# KiCad board NoU2-panelized.kicad_pcb
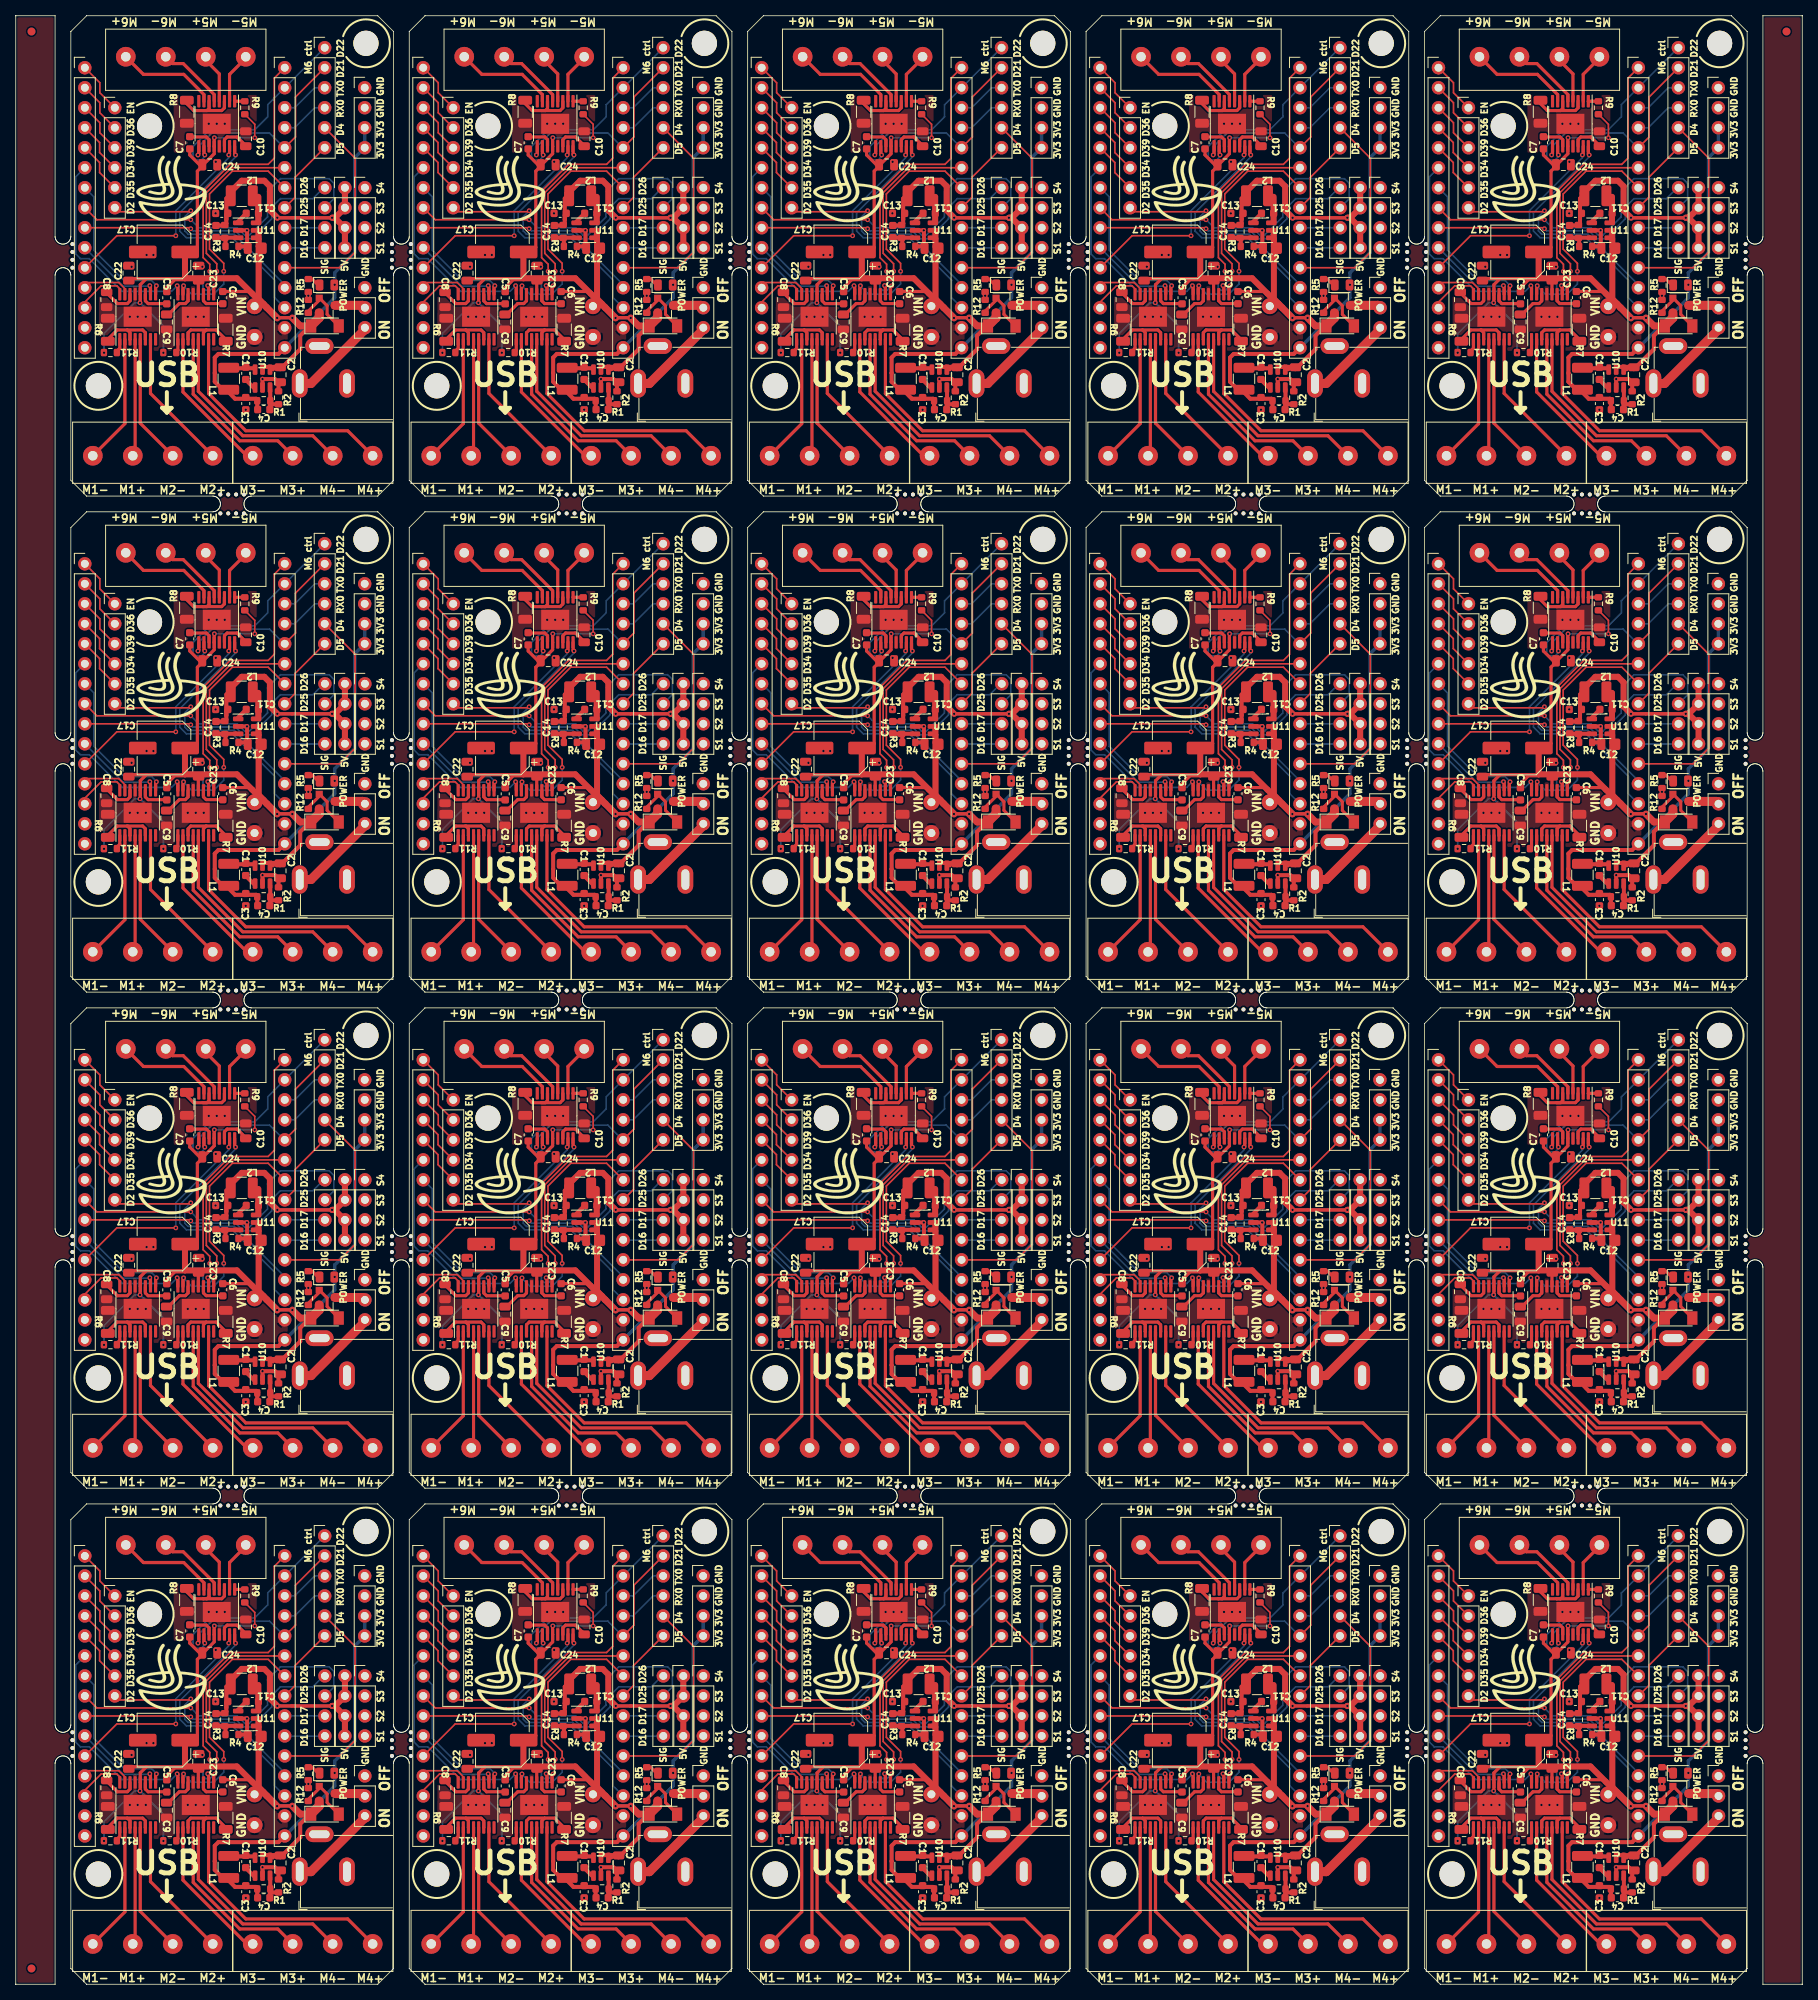
[diagram p0: board, top side]
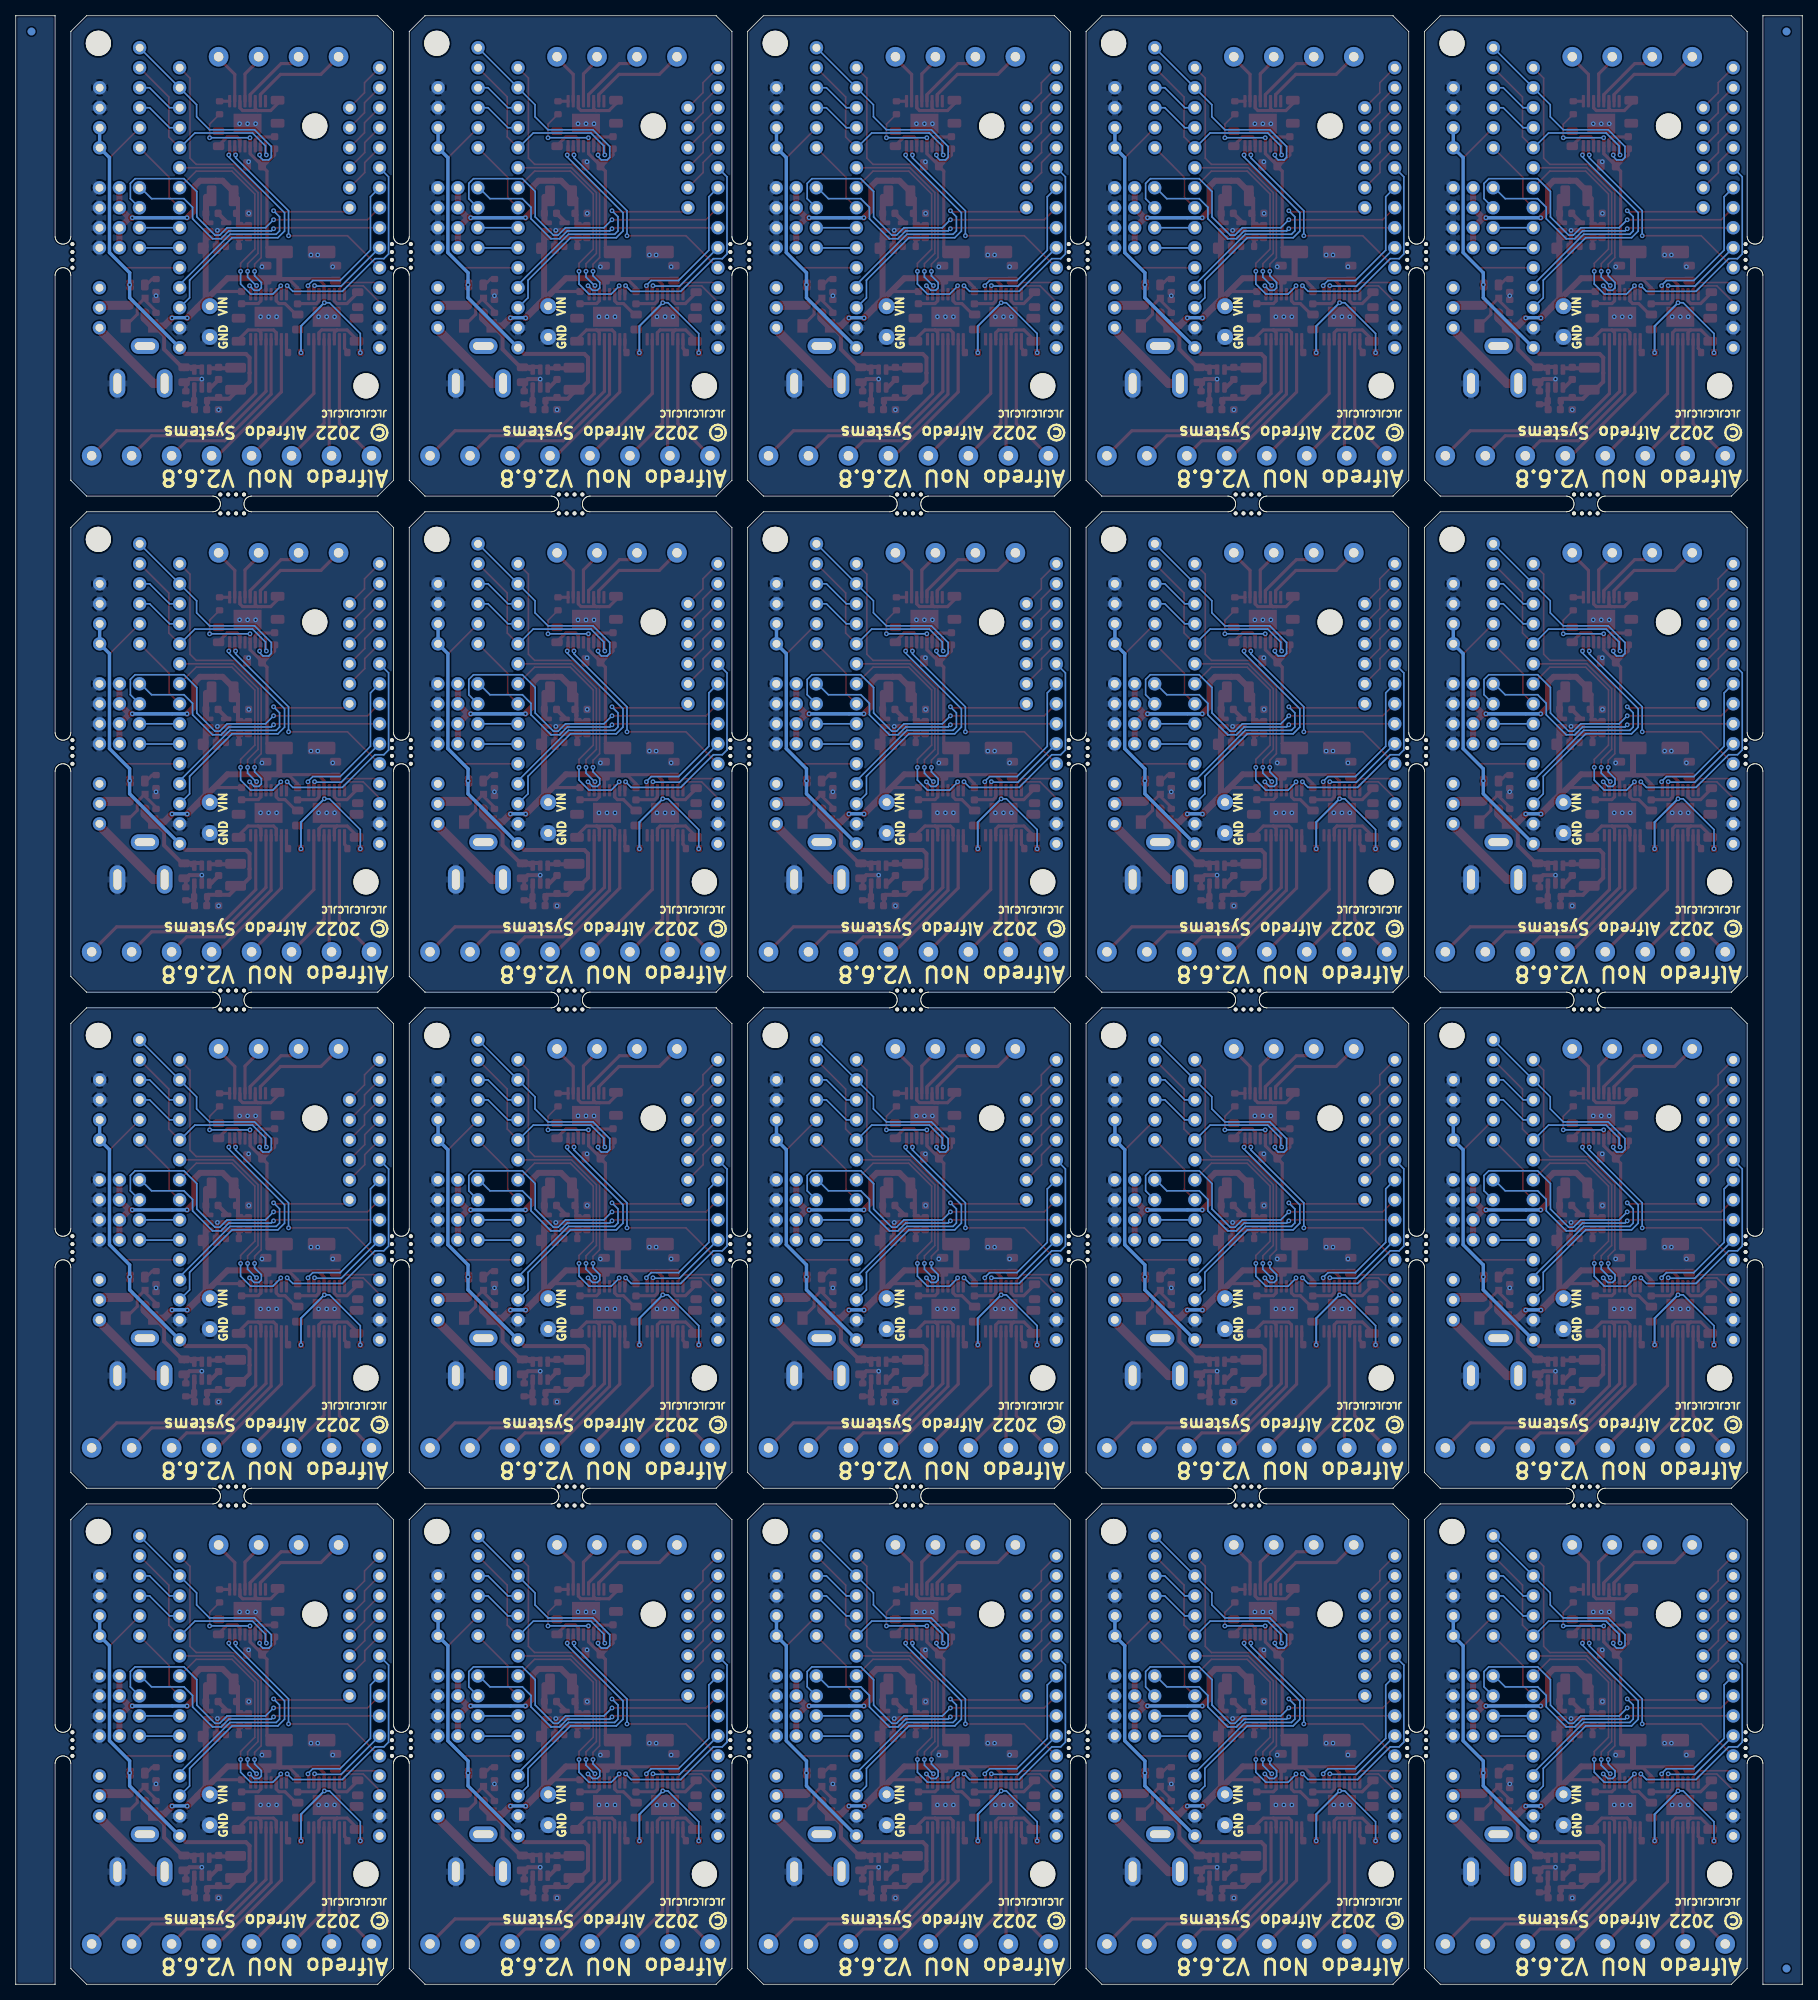
[diagram p1: board, bottom side, seen from below]

Outline 227 x 250 mm; copper layers: Top, Bottom. Coordinates in mm from the lower left corner of the outline.

## Placement (name value [footprint] x y rotation side)
C1  100nF  [C_0603_1608Metric]  72.22 78.58 270 top
C1#2  100nF  [C_0603_1608Metric]  201.22 15.58 270 top
C1#3  100nF  [C_0603_1608Metric]  201.22 204.58 270 top
C1#4  100nF  [C_0603_1608Metric]  29.23 78.58 270 top
C1#5  100nF  [C_0603_1608Metric]  158.22 141.58 270 top
C1#6  100nF  [C_0603_1608Metric]  201.22 78.58 270 top
C1#7  100nF  [C_0603_1608Metric]  29.23 141.58 270 top
C1#8  100nF  [C_0603_1608Metric]  29.23 15.58 270 top
C1#9  100nF  [C_0603_1608Metric]  72.22 15.58 270 top
C1#10  100nF  [C_0603_1608Metric]  115.22 15.58 270 top
C1#11  100nF  [C_0603_1608Metric]  72.22 141.58 270 top
C1#12  100nF  [C_0603_1608Metric]  201.22 141.58 270 top
C1#13  100nF  [C_0603_1608Metric]  72.22 204.58 270 top
C1#14  100nF  [C_0603_1608Metric]  158.22 78.58 270 top
C1#15  100nF  [C_0603_1608Metric]  29.23 204.58 270 top
C1#16  100nF  [C_0603_1608Metric]  115.22 141.58 270 top
C1#17  100nF  [C_0603_1608Metric]  115.22 204.58 270 top
C1#18  100nF  [C_0603_1608Metric]  158.22 15.58 270 top
C1#19  100nF  [C_0603_1608Metric]  158.22 204.58 270 top
C1#20  100nF  [C_0603_1608Metric]  115.22 78.58 270 top
C2  10uF  [C_0805_2012Metric]  76.61 78.41 90 top
C2#2  10uF  [C_0805_2012Metric]  205.61 141.41 90 top
C2#3  10uF  [C_0805_2012Metric]  205.61 15.41 90 top
C2#4  10uF  [C_0805_2012Metric]  205.61 78.41 90 top
C2#5  10uF  [C_0805_2012Metric]  76.61 15.41 90 top
C2#6  10uF  [C_0805_2012Metric]  76.61 204.41 90 top
C2#7  10uF  [C_0805_2012Metric]  162.61 141.41 90 top
C2#8  10uF  [C_0805_2012Metric]  76.61 141.41 90 top
C2#9  10uF  [C_0805_2012Metric]  119.61 78.41 90 top
C2#10  10uF  [C_0805_2012Metric]  162.61 78.41 90 top
C2#11  10uF  [C_0805_2012Metric]  33.61 78.41 90 top
C2#12  10uF  [C_0805_2012Metric]  119.61 141.41 90 top
C2#13  10uF  [C_0805_2012Metric]  33.61 141.41 90 top
C2#14  10uF  [C_0805_2012Metric]  33.61 204.41 90 top
C2#15  10uF  [C_0805_2012Metric]  205.61 204.41 90 top
C2#16  10uF  [C_0805_2012Metric]  119.61 15.41 90 top
C2#17  10uF  [C_0805_2012Metric]  33.61 15.41 90 top
C2#18  10uF  [C_0805_2012Metric]  162.61 204.41 90 top
C2#19  10uF  [C_0805_2012Metric]  119.61 204.41 90 top
C2#20  10uF  [C_0805_2012Metric]  162.61 15.41 90 top
C3  22uF  [C_0603_1608Metric]  115.22 137.75 90 top
C3#2  22uF  [C_0603_1608Metric]  158.22 137.75 90 top
C3#3  22uF  [C_0603_1608Metric]  158.22 200.75 90 top
C3#4  22uF  [C_0603_1608Metric]  158.22 74.75 90 top
C3#5  22uF  [C_0603_1608Metric]  72.22 11.75 90 top
C3#6  22uF  [C_0603_1608Metric]  201.22 74.75 90 top
C3#7  22uF  [C_0603_1608Metric]  29.23 137.75 90 top
C3#8  22uF  [C_0603_1608Metric]  72.22 137.75 90 top
C3#9  22uF  [C_0603_1608Metric]  72.22 200.75 90 top
C3#10  22uF  [C_0603_1608Metric]  29.23 74.75 90 top
C3#11  22uF  [C_0603_1608Metric]  115.22 200.75 90 top
C3#12  22uF  [C_0603_1608Metric]  201.22 11.75 90 top
C3#13  22uF  [C_0603_1608Metric]  201.22 200.75 90 top
C3#14  22uF  [C_0603_1608Metric]  29.23 200.75 90 top
C3#15  22uF  [C_0603_1608Metric]  201.22 137.75 90 top
C3#16  22uF  [C_0603_1608Metric]  158.22 11.75 90 top
C3#17  22uF  [C_0603_1608Metric]  115.22 11.75 90 top
C3#18  22uF  [C_0603_1608Metric]  72.22 74.75 90 top
C3#19  22uF  [C_0603_1608Metric]  115.22 74.75 90 top
C3#20  22uF  [C_0603_1608Metric]  29.23 11.75 90 top
C4  22pF  [C_0603_1608Metric]  203.51 73.99 180 top
C4#2  22pF  [C_0603_1608Metric]  31.51 199.99 180 top
C4#3  22pF  [C_0603_1608Metric]  31.51 73.99 180 top
C4#4  22pF  [C_0603_1608Metric]  160.51 10.99 180 top
C4#5  22pF  [C_0603_1608Metric]  117.51 136.99 180 top
C4#6  22pF  [C_0603_1608Metric]  160.51 136.99 180 top
C4#7  22pF  [C_0603_1608Metric]  117.51 10.99 180 top
C4#8  22pF  [C_0603_1608Metric]  74.51 10.99 180 top
C4#9  22pF  [C_0603_1608Metric]  203.51 136.99 180 top
C4#10  22pF  [C_0603_1608Metric]  31.51 10.99 180 top
C4#11  22pF  [C_0603_1608Metric]  160.51 73.99 180 top
C4#12  22pF  [C_0603_1608Metric]  31.51 136.99 180 top
C4#13  22pF  [C_0603_1608Metric]  74.51 199.99 180 top
C4#14  22pF  [C_0603_1608Metric]  74.51 73.99 180 top
C4#15  22pF  [C_0603_1608Metric]  117.51 73.99 180 top
C4#16  22pF  [C_0603_1608Metric]  203.51 199.99 180 top
C4#17  22pF  [C_0603_1608Metric]  203.51 10.99 180 top
C4#18  22pF  [C_0603_1608Metric]  160.51 199.99 180 top
C4#19  22pF  [C_0603_1608Metric]  117.51 199.99 180 top
C4#20  22pF  [C_0603_1608Metric]  74.51 136.99 180 top
C5  10nF  [C_0603_1608Metric]  148.19 88.19 270 top
C5#2  10nF  [C_0603_1608Metric]  105.19 25.19 270 top
C5#3  10nF  [C_0603_1608Metric]  62.19 88.19 270 top
C5#4  10nF  [C_0603_1608Metric]  19.19 88.19 270 top
C5#5  10nF  [C_0603_1608Metric]  105.19 88.19 270 top
C5#6  10nF  [C_0603_1608Metric]  191.19 25.19 270 top
C5#7  10nF  [C_0603_1608Metric]  105.19 151.19 270 top
C5#8  10nF  [C_0603_1608Metric]  191.19 151.19 270 top
C5#9  10nF  [C_0603_1608Metric]  105.19 214.19 270 top
C5#10  10nF  [C_0603_1608Metric]  191.19 214.19 270 top
C5#11  10nF  [C_0603_1608Metric]  62.19 214.19 270 top
C5#12  10nF  [C_0603_1608Metric]  62.19 151.19 270 top
C5#13  10nF  [C_0603_1608Metric]  19.19 25.19 270 top
C5#14  10nF  [C_0603_1608Metric]  148.19 151.19 270 top
C5#15  10nF  [C_0603_1608Metric]  62.19 25.19 270 top
C5#16  10nF  [C_0603_1608Metric]  19.19 214.19 270 top
C5#17  10nF  [C_0603_1608Metric]  191.19 88.19 270 top
C5#18  10nF  [C_0603_1608Metric]  148.19 214.19 270 top
C5#19  10nF  [C_0603_1608Metric]  148.19 25.19 270 top
C5#20  10nF  [C_0603_1608Metric]  19.19 151.19 270 top
C6  10nF  [C_0603_1608Metric]  155.3 25.2 270 top
C6#2  10nF  [C_0603_1608Metric]  198.3 88.2 270 top
C6#3  10nF  [C_0603_1608Metric]  112.3 25.2 270 top
C6#4  10nF  [C_0603_1608Metric]  69.3 88.2 270 top
C6#5  10nF  [C_0603_1608Metric]  155.3 88.2 270 top
C6#6  10nF  [C_0603_1608Metric]  198.3 151.2 270 top
C6#7  10nF  [C_0603_1608Metric]  69.3 214.2 270 top
C6#8  10nF  [C_0603_1608Metric]  112.3 214.2 270 top
C6#9  10nF  [C_0603_1608Metric]  26.3 214.2 270 top
C6#10  10nF  [C_0603_1608Metric]  69.3 151.2 270 top
C6#11  10nF  [C_0603_1608Metric]  112.3 88.2 270 top
C6#12  10nF  [C_0603_1608Metric]  155.3 214.2 270 top
C6#13  10nF  [C_0603_1608Metric]  26.3 88.2 270 top
C6#14  10nF  [C_0603_1608Metric]  26.3 151.2 270 top
C6#15  10nF  [C_0603_1608Metric]  198.3 25.2 270 top
C6#16  10nF  [C_0603_1608Metric]  155.3 151.2 270 top
C6#17  10nF  [C_0603_1608Metric]  198.3 214.2 270 top
C6#18  10nF  [C_0603_1608Metric]  69.3 25.2 270 top
C6#19  10nF  [C_0603_1608Metric]  26.3 25.2 270 top
C6#20  10nF  [C_0603_1608Metric]  112.3 151.2 270 top
C7  10nF  [C_0603_1608Metric]  194.11 44.87 90 top
C7#2  10nF  [C_0603_1608Metric]  65.11 44.87 90 top
C7#3  10nF  [C_0603_1608Metric]  151.11 107.87 90 top
C7#4  10nF  [C_0603_1608Metric]  22.11 107.87 90 top
C7#5  10nF  [C_0603_1608Metric]  108.11 107.87 90 top
C7#6  10nF  [C_0603_1608Metric]  194.11 170.87 90 top
C7#7  10nF  [C_0603_1608Metric]  22.11 44.87 90 top
C7#8  10nF  [C_0603_1608Metric]  194.11 107.87 90 top
C7#9  10nF  [C_0603_1608Metric]  108.11 170.87 90 top
C7#10  10nF  [C_0603_1608Metric]  108.11 233.87 90 top
C7#11  10nF  [C_0603_1608Metric]  65.11 170.87 90 top
C7#12  10nF  [C_0603_1608Metric]  194.11 233.87 90 top
C7#13  10nF  [C_0603_1608Metric]  65.11 233.87 90 top
C7#14  10nF  [C_0603_1608Metric]  22.11 233.87 90 top
C7#15  10nF  [C_0603_1608Metric]  108.11 44.87 90 top
C7#16  10nF  [C_0603_1608Metric]  65.11 107.87 90 top
C7#17  10nF  [C_0603_1608Metric]  151.11 233.87 90 top
C7#18  10nF  [C_0603_1608Metric]  151.11 44.87 90 top
C7#19  10nF  [C_0603_1608Metric]  22.11 170.87 90 top
C7#20  10nF  [C_0603_1608Metric]  151.11 170.87 90 top
C8  10uF  [C_0805_2012Metric]  54.55 24.95 270 top
C8#2  10uF  [C_0805_2012Metric]  97.55 150.95 270 top
C8#3  10uF  [C_0805_2012Metric]  183.55 87.95 270 top
C8#4  10uF  [C_0805_2012Metric]  140.55 213.95 270 top
C8#5  10uF  [C_0805_2012Metric]  97.55 24.95 270 top
C8#6  10uF  [C_0805_2012Metric]  140.55 24.95 270 top
C8#7  10uF  [C_0805_2012Metric]  11.55 213.95 270 top
C8#8  10uF  [C_0805_2012Metric]  54.55 150.95 270 top
C8#9  10uF  [C_0805_2012Metric]  183.55 213.95 270 top
C8#10  10uF  [C_0805_2012Metric]  97.55 213.95 270 top
C8#11  10uF  [C_0805_2012Metric]  11.55 24.95 270 top
C8#12  10uF  [C_0805_2012Metric]  97.55 87.95 270 top
C8#13  10uF  [C_0805_2012Metric]  54.55 87.95 270 top
C8#14  10uF  [C_0805_2012Metric]  183.55 150.95 270 top
C8#15  10uF  [C_0805_2012Metric]  183.55 24.95 270 top
C8#16  10uF  [C_0805_2012Metric]  11.55 150.95 270 top
C8#17  10uF  [C_0805_2012Metric]  11.55 87.95 270 top
C8#18  10uF  [C_0805_2012Metric]  54.55 213.95 270 top
C8#19  10uF  [C_0805_2012Metric]  140.55 87.95 270 top
C8#20  10uF  [C_0805_2012Metric]  140.55 150.95 270 top
C9  10uF  [C_0805_2012Metric]  19.17 211.11 270 top
C9#2  10uF  [C_0805_2012Metric]  148.17 148.11 270 top
C9#3  10uF  [C_0805_2012Metric]  105.17 148.11 270 top
C9#4  10uF  [C_0805_2012Metric]  148.17 85.11 270 top
C9#5  10uF  [C_0805_2012Metric]  19.17 22.11 270 top
C9#6  10uF  [C_0805_2012Metric]  148.17 211.11 270 top
C9#7  10uF  [C_0805_2012Metric]  62.17 148.11 270 top
C9#8  10uF  [C_0805_2012Metric]  19.17 148.11 270 top
C9#9  10uF  [C_0805_2012Metric]  62.17 22.11 270 top
C9#10  10uF  [C_0805_2012Metric]  62.17 211.11 270 top
C9#11  10uF  [C_0805_2012Metric]  19.17 85.11 270 top
C9#12  10uF  [C_0805_2012Metric]  191.17 211.11 270 top
C9#13  10uF  [C_0805_2012Metric]  191.17 148.11 270 top
C9#14  10uF  [C_0805_2012Metric]  62.17 85.11 270 top
C9#15  10uF  [C_0805_2012Metric]  148.17 22.11 270 top
C9#16  10uF  [C_0805_2012Metric]  105.17 211.11 270 top
C9#17  10uF  [C_0805_2012Metric]  105.17 85.11 270 top
C9#18  10uF  [C_0805_2012Metric]  191.17 22.11 270 top
C9#19  10uF  [C_0805_2012Metric]  105.17 22.11 270 top
C9#20  10uF  [C_0805_2012Metric]  191.17 85.11 270 top
C10  10uF  [C_0805_2012Metric]  72.22 234.38 90 top
C10#2  10uF  [C_0805_2012Metric]  158.22 234.38 90 top
C10#3  10uF  [C_0805_2012Metric]  201.22 45.38 90 top
C10#4  10uF  [C_0805_2012Metric]  29.23 171.38 90 top
C10#5  10uF  [C_0805_2012Metric]  201.22 171.38 90 top
C10#6  10uF  [C_0805_2012Metric]  29.23 234.38 90 top
C10#7  10uF  [C_0805_2012Metric]  115.22 234.38 90 top
C10#8  10uF  [C_0805_2012Metric]  72.22 108.38 90 top
C10#9  10uF  [C_0805_2012Metric]  72.22 45.38 90 top
C10#10  10uF  [C_0805_2012Metric]  158.22 45.38 90 top
C10#11  10uF  [C_0805_2012Metric]  29.23 45.38 90 top
C10#12  10uF  [C_0805_2012Metric]  201.22 108.38 90 top
C10#13  10uF  [C_0805_2012Metric]  115.22 108.38 90 top
C10#14  10uF  [C_0805_2012Metric]  115.22 171.38 90 top
C10#15  10uF  [C_0805_2012Metric]  115.22 45.38 90 top
C10#16  10uF  [C_0805_2012Metric]  158.22 171.38 90 top
C10#17  10uF  [C_0805_2012Metric]  158.22 108.38 90 top
C10#18  10uF  [C_0805_2012Metric]  29.23 108.38 90 top
C10#19  10uF  [C_0805_2012Metric]  201.22 234.38 90 top
C10#20  10uF  [C_0805_2012Metric]  72.22 171.38 90 top
C11  100nF  [C_0603_1608Metric]  159.06 98.9 180 top
C11#2  100nF  [C_0603_1608Metric]  30.06 224.9 180 top
C11#3  100nF  [C_0603_1608Metric]  159.06 224.9 180 top
C11#4  100nF  [C_0603_1608Metric]  73.06 161.9 180 top
C11#5  100nF  [C_0603_1608Metric]  30.06 98.9 180 top
C11#6  100nF  [C_0603_1608Metric]  202.06 98.9 180 top
C11#7  100nF  [C_0603_1608Metric]  30.06 35.9 180 top
C11#8  100nF  [C_0603_1608Metric]  73.06 35.9 180 top
C11#9  100nF  [C_0603_1608Metric]  116.06 224.9 180 top
C11#10  100nF  [C_0603_1608Metric]  116.06 35.9 180 top
C11#11  100nF  [C_0603_1608Metric]  202.06 161.9 180 top
C11#12  100nF  [C_0603_1608Metric]  159.06 35.9 180 top
C11#13  100nF  [C_0603_1608Metric]  73.06 98.9 180 top
C11#14  100nF  [C_0603_1608Metric]  159.06 161.9 180 top
C11#15  100nF  [C_0603_1608Metric]  116.06 161.9 180 top
C11#16  100nF  [C_0603_1608Metric]  202.06 224.9 180 top
C11#17  100nF  [C_0603_1608Metric]  202.06 35.9 180 top
C11#18  100nF  [C_0603_1608Metric]  116.06 98.9 180 top
C11#19  100nF  [C_0603_1608Metric]  73.06 224.9 180 top
C11#20  100nF  [C_0603_1608Metric]  30.06 161.9 180 top
C12  10uF  [C_0805_2012Metric]  73.43 94.47 0 top
C12#2  10uF  [C_0805_2012Metric]  159.43 94.47 0 top
C12#3  10uF  [C_0805_2012Metric]  30.43 157.47 0 top
C12#4  10uF  [C_0805_2012Metric]  159.43 157.47 0 top
C12#5  10uF  [C_0805_2012Metric]  30.43 31.47 0 top
C12#6  10uF  [C_0805_2012Metric]  30.43 220.47 0 top
C12#7  10uF  [C_0805_2012Metric]  159.43 220.47 0 top
C12#8  10uF  [C_0805_2012Metric]  73.43 157.47 0 top
C12#9  10uF  [C_0805_2012Metric]  30.43 94.47 0 top
C12#10  10uF  [C_0805_2012Metric]  116.43 157.47 0 top
C12#11  10uF  [C_0805_2012Metric]  202.43 220.47 0 top
C12#12  10uF  [C_0805_2012Metric]  202.43 157.47 0 top
C12#13  10uF  [C_0805_2012Metric]  116.43 94.47 0 top
C12#14  10uF  [C_0805_2012Metric]  73.43 31.47 0 top
C12#15  10uF  [C_0805_2012Metric]  116.43 220.47 0 top
C12#16  10uF  [C_0805_2012Metric]  202.43 31.47 0 top
C12#17  10uF  [C_0805_2012Metric]  73.43 220.47 0 top
C12#18  10uF  [C_0805_2012Metric]  159.43 31.47 0 top
C12#19  10uF  [C_0805_2012Metric]  202.43 94.47 0 top
C12#20  10uF  [C_0805_2012Metric]  116.43 31.47 0 top
C13  22uF  [C_0603_1608Metric]  69.18 224.9 0 top
C13#2  22uF  [C_0603_1608Metric]  112.18 224.9 0 top
C13#3  22uF  [C_0603_1608Metric]  155.18 224.9 0 top
C13#4  22uF  [C_0603_1608Metric]  112.18 35.9 0 top
C13#5  22uF  [C_0603_1608Metric]  26.18 161.9 0 top
C13#6  22uF  [C_0603_1608Metric]  155.18 98.9 0 top
C13#7  22uF  [C_0603_1608Metric]  198.18 161.9 0 top
C13#8  22uF  [C_0603_1608Metric]  198.18 98.9 0 top
C13#9  22uF  [C_0603_1608Metric]  26.18 35.9 0 top
C13#10  22uF  [C_0603_1608Metric]  198.18 224.9 0 top
C13#11  22uF  [C_0603_1608Metric]  26.18 224.9 0 top
C13#12  22uF  [C_0603_1608Metric]  155.18 35.9 0 top
C13#13  22uF  [C_0603_1608Metric]  26.18 98.9 0 top
C13#14  22uF  [C_0603_1608Metric]  112.18 98.9 0 top
C13#15  22uF  [C_0603_1608Metric]  69.18 35.9 0 top
C13#16  22uF  [C_0603_1608Metric]  112.18 161.9 0 top
C13#17  22uF  [C_0603_1608Metric]  69.18 161.9 0 top
C13#18  22uF  [C_0603_1608Metric]  155.18 161.9 0 top
C13#19  22uF  [C_0603_1608Metric]  69.18 98.9 0 top
C13#20  22uF  [C_0603_1608Metric]  198.18 35.9 0 top
C14  22pF  [C_0603_1608Metric]  111.44 222.59 90 top
C14#2  22pF  [C_0603_1608Metric]  154.44 159.59 90 top
C14#3  22pF  [C_0603_1608Metric]  25.44 159.59 90 top
C14#4  22pF  [C_0603_1608Metric]  68.44 159.59 90 top
C14#5  22pF  [C_0603_1608Metric]  25.44 33.59 90 top
C14#6  22pF  [C_0603_1608Metric]  68.44 222.59 90 top
C14#7  22pF  [C_0603_1608Metric]  111.44 159.59 90 top
C14#8  22pF  [C_0603_1608Metric]  154.44 33.59 90 top
C14#9  22pF  [C_0603_1608Metric]  25.44 96.59 90 top
C14#10  22pF  [C_0603_1608Metric]  154.44 222.59 90 top
C14#11  22pF  [C_0603_1608Metric]  154.44 96.59 90 top
C14#12  22pF  [C_0603_1608Metric]  197.44 96.59 90 top
C14#13  22pF  [C_0603_1608Metric]  197.44 159.59 90 top
C14#14  22pF  [C_0603_1608Metric]  197.44 222.59 90 top
C14#15  22pF  [C_0603_1608Metric]  197.44 33.59 90 top
C14#16  22pF  [C_0603_1608Metric]  68.44 96.59 90 top
C14#17  22pF  [C_0603_1608Metric]  111.44 33.59 90 top
C14#18  22pF  [C_0603_1608Metric]  111.44 96.59 90 top
C14#19  22pF  [C_0603_1608Metric]  25.44 222.59 90 top
C14#20  22pF  [C_0603_1608Metric]  68.44 33.59 90 top
C17  100uF  [CP_Elec_6.3x7.7]  190.84 157 180 top
C17#2  100uF  [CP_Elec_6.3x7.7]  18.84 94 180 top
C17#3  100uF  [CP_Elec_6.3x7.7]  61.84 94 180 top
C17#4  100uF  [CP_Elec_6.3x7.7]  147.84 94 180 top
C17#5  100uF  [CP_Elec_6.3x7.7]  61.84 220 180 top
C17#6  100uF  [CP_Elec_6.3x7.7]  190.84 220 180 top
C17#7  100uF  [CP_Elec_6.3x7.7]  147.84 220 180 top
C17#8  100uF  [CP_Elec_6.3x7.7]  104.84 220 180 top
C17#9  100uF  [CP_Elec_6.3x7.7]  61.84 31 180 top
C17#10  100uF  [CP_Elec_6.3x7.7]  18.84 31 180 top
C17#11  100uF  [CP_Elec_6.3x7.7]  61.84 157 180 top
C17#12  100uF  [CP_Elec_6.3x7.7]  18.84 157 180 top
C17#13  100uF  [CP_Elec_6.3x7.7]  104.84 31 180 top
C17#14  100uF  [CP_Elec_6.3x7.7]  104.84 157 180 top
C17#15  100uF  [CP_Elec_6.3x7.7]  147.84 31 180 top
C17#16  100uF  [CP_Elec_6.3x7.7]  104.84 94 180 top
C17#17  100uF  [CP_Elec_6.3x7.7]  147.84 157 180 top
C17#18  100uF  [CP_Elec_6.3x7.7]  18.84 220 180 top
C17#19  100uF  [CP_Elec_6.3x7.7]  190.84 31 180 top
C17#20  100uF  [CP_Elec_6.3x7.7]  190.84 94 180 top
C22  10uF  [C_0805_2012Metric]  100.37 154.31 90 top
C22#2  10uF  [C_0805_2012Metric]  100.37 217.31 90 top
C22#3  10uF  [C_0805_2012Metric]  143.37 91.31 90 top
C22#4  10uF  [C_0805_2012Metric]  143.37 217.31 90 top
C22#5  10uF  [C_0805_2012Metric]  14.37 154.31 90 top
C22#6  10uF  [C_0805_2012Metric]  100.37 91.31 90 top
C22#7  10uF  [C_0805_2012Metric]  57.37 91.31 90 top
C22#8  10uF  [C_0805_2012Metric]  100.37 28.31 90 top
C22#9  10uF  [C_0805_2012Metric]  186.37 28.31 90 top
C22#10  10uF  [C_0805_2012Metric]  186.37 154.31 90 top
C22#11  10uF  [C_0805_2012Metric]  57.37 28.31 90 top
C22#12  10uF  [C_0805_2012Metric]  143.37 154.31 90 top
C22#13  10uF  [C_0805_2012Metric]  186.37 217.31 90 top
C22#14  10uF  [C_0805_2012Metric]  57.37 154.31 90 top
C22#15  10uF  [C_0805_2012Metric]  186.37 91.31 90 top
C22#16  10uF  [C_0805_2012Metric]  14.37 217.31 90 top
C22#17  10uF  [C_0805_2012Metric]  14.37 28.31 90 top
C22#18  10uF  [C_0805_2012Metric]  143.37 28.31 90 top
C22#19  10uF  [C_0805_2012Metric]  57.37 217.31 90 top
C22#20  10uF  [C_0805_2012Metric]  14.37 91.31 90 top
C23  10uF  [C_0805_2012Metric]  195.23 154.31 90 top
C23#2  10uF  [C_0805_2012Metric]  152.23 217.31 90 top
C23#3  10uF  [C_0805_2012Metric]  23.23 28.31 90 top